# KiCad board Layer0.kicad_pcb (continued)
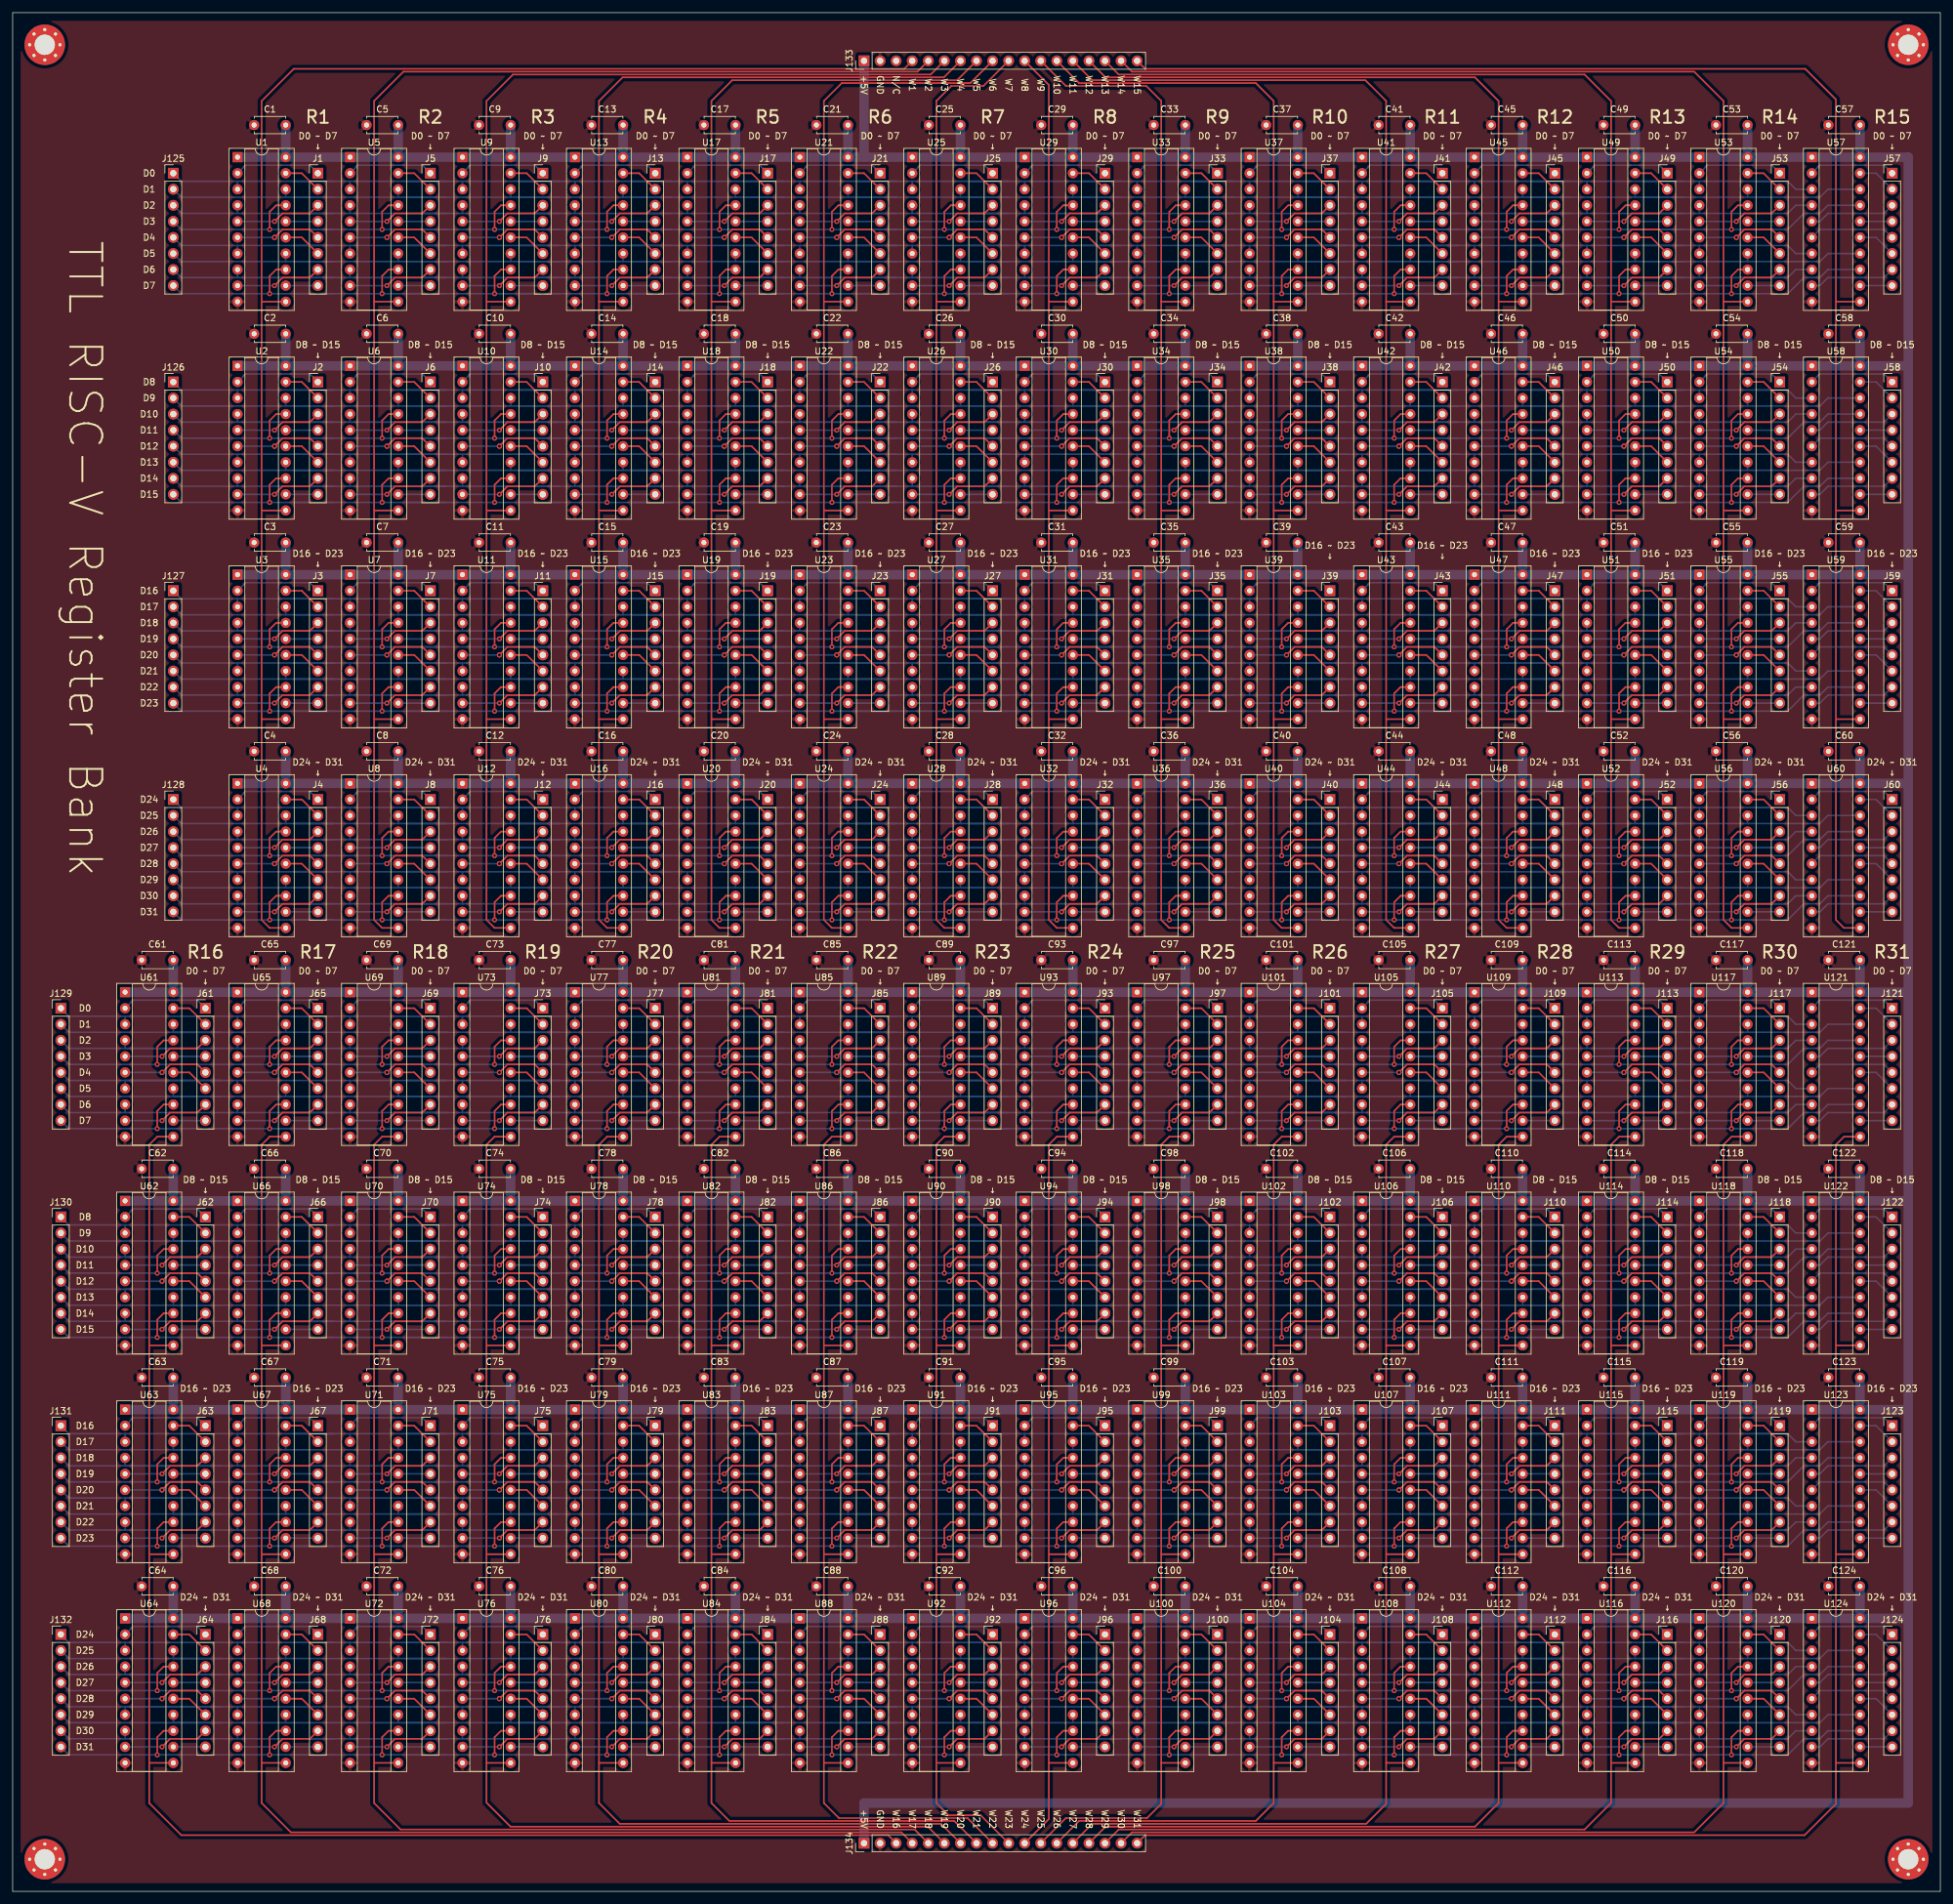
[diagram p0: board, top side]
## Routing (per net, layer and track width the routed paths; a pad name or vN(x,y) marks a point on that pad's centre or on a via; arc(x,y) is an arc through that point) (continued)
/D_W3_4: length 360.5
  Bottom w0.25: U4.7 35.56,161.29 ; 50.8,161.29 26.67,161.29 J128.5 ; 62.23,161.29 86.36,161.29 ; 186.69,161.29 210.82,161.29 ; U12.7 71.12,161.29 ; U24.7 124.46,161.29 ; 80.01,161.29 104.14,161.29 ; U16.7 88.9,161.29 ; U8.7 53.34,161.29 ; 44.45,161.29 68.58,161.29 ; 115.57,161.29 139.7,161.29 ; U48.7 231.14,161.29 ; U40.7 195.58,161.29 ; 222.25,161.29 246.38,161.29 ; U36.7 177.8,161.29 ; U44.7 213.36,161.29 ; 168.91,161.29 193.04,161.29 ; 204.47,161.29 228.6,161.29 ; U60.7 281.94,160.02 280.67,161.29 257.81,161.29 ; U28.7 142.24,161.29 ; 97.79,161.29 121.92,161.29 ; U20.7 106.68,161.29 ; 133.35,161.29 157.48,161.29 ; U52.7 248.92,161.29 ; 240.03,161.29 264.16,161.29 ; U56.7 266.7,161.29 ; U32.7 160.02,161.29 ; 151.13,161.29 175.26,161.29
/D_W3_5: length 368.1
  Bottom w0.25: 50.8,158.75 26.67,158.75 J128.6 ; 62.23,158.75 86.36,158.75 ; U28.14 149.86,158.75 ; 115.57,158.75 139.7,158.75 ; U4.14 43.18,158.75 ; U24.14 132.08,158.75 ; U16.14 96.52,158.75 ; 80.01,158.75 104.14,158.75 ; 44.45,158.75 68.58,158.75 ; 151.13,158.75 175.26,158.75 ; U56.14 274.32,158.75 ; U48.14 238.76,158.75 ; U36.14 185.42,158.75 ; 168.91,158.75 193.04,158.75 ; 204.47,158.75 228.6,158.75 ; U8.14 60.96,158.75 ; U20.14 114.3,158.75 ; U12.14 78.74,158.75 ; U60.14 287.02,160.02 285.75,158.75 257.81,158.75 ; 133.35,158.75 157.48,158.75 ; 97.79,158.75 121.92,158.75 ; 240.03,158.75 264.16,158.75 ; U52.14 256.54,158.75 ; 222.25,158.75 246.38,158.75 ; 186.69,158.75 210.82,158.75 ; U40.14 203.2,158.75 ; U44.14 220.98,158.75 ; U32.14 167.64,158.75
/D_W3_6: length 365.5
  Bottom w0.25: U4.8 35.56,156.21 ; 35.56,156.21 26.67,156.21 J128.7 ; 35.56,156.21 50.8,156.21 ; U12.8 71.12,156.21 ; 71.12,156.21 62.23,156.21 ; 71.12,156.21 86.36,156.21 ; 142.24,156.21 157.48,156.21 ; 142.24,156.21 133.35,156.21 ; 142.24,156.21 U28.8 ; 53.34,156.21 68.58,156.21 ; 53.34,156.21 U8.8 ; 53.34,156.21 44.45,156.21 ; 266.7,156.21 280.67,156.21 ; 266.7,156.21 257.81,156.21 ; 266.7,156.21 U56.8 ; 280.67,156.21 281.94,157.48 U60.8 ; 280.67,156.21 275.59,156.21 ; 80.01,156.21 88.9,156.21 ; 88.9,156.21 U16.8 ; 88.9,156.21 104.14,156.21 ; U32.8 160.02,156.21 ; 160.02,156.21 175.26,156.21 ; 160.02,156.21 151.13,156.21 ; U24.8 124.46,156.21 ; 124.46,156.21 115.57,156.21 ; 124.46,156.21 139.7,156.21 ; U44.8 213.36,156.21 ; 213.36,156.21 204.47,156.21 ; 213.36,156.21 228.6,156.21 ; 222.25,156.21 231.14,156.21 ; 231.14,156.21 U48.8 ; 231.14,156.21 246.38,156.21 ; 177.8,156.21 193.04,156.21 ; 177.8,156.21 U36.8 ; 177.8,156.21 168.91,156.21 ; 195.58,156.21 210.82,156.21 ; 195.58,156.21 U40.8 ; 195.58,156.21 186.69,156.21 ; 106.68,156.21 121.92,156.21 ; 106.68,156.21 U20.8 ; 106.68,156.21 97.79,156.21 ; U52.8 248.92,156.21 ; 248.92,156.21 240.03,156.21 ; 248.92,156.21 264.16,156.21
/D_W3_7: length 431.9
  Top w0.25: v1(40.64,153.67) 40.64,156.46 41.66,157.48 U4.13 ; U28.13 148.34,157.48 147.32,156.46 v1(147.32,153.67) ; v1(58.42,153.67) 58.42,156.46 59.44,157.48 U8.13 ; v1(165.1,153.67) 165.1,156.46 166.12,157.48 U32.13 ; v1(93.98,153.67) 93.98,156.46 95,157.48 U16.13 ; v1(76.2,153.67) 76.2,156.46 77.22,157.48 U12.13 ; v1(236.22,153.67) 236.22,156.46 237.24,157.48 U48.13 ; U36.13 183.9,157.48 182.88,156.46 v1(182.88,153.67) ; U40.13 201.68,157.48 200.66,156.46 v1(200.66,153.67) ; v1(129.54,153.67) 129.54,156.46 130.56,157.48 U24.13 ; U20.13 112.78,157.48 111.76,156.46 v1(111.76,153.67) ; v1(254,153.67) 254,156.46 255.02,157.48 U52.13 ; v1(271.78,153.67) 271.78,156.46 272.8,157.48 U56.13 ; v1(218.44,153.67) 218.44,156.46 219.46,157.48 U44.13
  Bottom w0.25: 115.57,153.67 v1(129.54,153.67) 139.7,153.67 ; U60.13 287.02,157.48 285.75,156.21 283.21,156.21 280.67,153.67 v1(271.78,153.67) 257.81,153.67 ; 151.13,153.67 v1(165.1,153.67) 175.26,153.67 ; 80.01,153.67 v1(93.98,153.67) 104.14,153.67 ; 240.03,153.67 v1(254,153.67) 264.16,153.67 ; 222.25,153.67 v1(236.22,153.67) 246.38,153.67 ; 97.79,153.67 v1(111.76,153.67) 121.92,153.67 ; 157.48,153.67 v1(147.32,153.67) 133.35,153.67 ; 44.45,153.67 v1(58.42,153.67) 68.58,153.67 ; 62.23,153.67 v1(76.2,153.67) 86.36,153.67 ; 186.69,153.67 v1(200.66,153.67) 210.82,153.67 ; 204.47,153.67 v1(218.44,153.67) 228.6,153.67 ; 168.91,153.67 v1(182.88,153.67) 193.04,153.67 ; 50.8,153.67 v1(40.64,153.67) 26.67,153.67 J128.8
/D_W4_0: length 384.6
  Bottom w0.25: 62.23,138.43 71.12,138.43 ; 71.12,138.43 86.36,138.43 ; 71.12,138.43 U73.3 ; 35.56,138.43 50.8,138.43 ; 35.56,138.43 U65.3 ; 35.56,138.43 17.78,138.43 ; 266.7,138.43 280.67,138.43 ; 266.7,138.43 U117.3 ; 266.7,138.43 257.81,138.43 ; 280.67,138.43 275.59,138.43 ; 280.67,138.43 281.94,137.16 U121.3 ; 160.02,138.43 175.26,138.43 ; 160.02,138.43 U93.3 ; 160.02,138.43 151.13,138.43 ; 115.57,138.43 124.46,138.43 ; 124.46,138.43 139.7,138.43 ; 124.46,138.43 U85.3 ; 80.01,138.43 88.9,138.43 ; 88.9,138.43 104.14,138.43 ; 88.9,138.43 U77.3 ; 44.45,138.43 53.34,138.43 ; 53.34,138.43 U69.3 ; 53.34,138.43 68.58,138.43 ; 168.91,138.43 177.8,138.43 ; 177.8,138.43 U97.3 ; 177.8,138.43 193.04,138.43 ; 222.25,138.43 231.14,138.43 ; 231.14,138.43 246.38,138.43 ; 231.14,138.43 U109.3 ; U105.3 213.36,138.43 ; 213.36,138.43 228.6,138.43 ; 213.36,138.43 204.47,138.43 ; U89.3 142.24,138.43 ; 142.24,138.43 133.35,138.43 ; 142.24,138.43 157.48,138.43 ; U81.3 106.68,138.43 ; 106.68,138.43 97.79,138.43 ; 106.68,138.43 121.92,138.43 ; 186.69,138.43 195.58,138.43 ; 195.58,138.43 U101.3 ; 195.58,138.43 210.82,138.43 ; 248.92,138.43 264.16,138.43 ; 248.92,138.43 240.03,138.43 ; 248.92,138.43 U113.3 ; U61.3 17.78,138.43 ; 17.78,138.43 8.89,138.43 J129.1
/D_W4_1: length 388.4
  Bottom w0.25: U65.18 43.18,135.89 ; U73.18 78.74,135.89 ; 97.79,135.89 121.92,135.89 ; 151.13,135.89 175.26,135.89 ; U69.18 60.96,135.89 ; U93.18 167.64,135.89 ; 80.01,135.89 104.14,135.89 ; U77.18 96.52,135.89 ; U121.18 287.02,137.16 285.75,135.89 257.81,135.89 ; 240.03,135.89 264.16,135.89 ; U101.18 203.2,135.89 ; U97.18 185.42,135.89 ; U105.18 220.98,135.89 ; 115.57,135.89 139.7,135.89 ; 133.35,135.89 157.48,135.89 ; 62.23,135.89 86.36,135.89 ; U89.18 149.86,135.89 ; U81.18 114.3,135.89 ; 222.25,135.89 246.38,135.89 ; U113.18 256.54,135.89 ; U117.18 274.32,135.89 ; U109.18 238.76,135.89 ; 168.91,135.89 193.04,135.89 ; 186.69,135.89 210.82,135.89 ; 204.47,135.89 228.6,135.89 ; U85.18 132.08,135.89 ; 33.02,135.89 8.89,135.89 J129.2 ; U61.18 25.4,135.89 68.58,135.89
/D_W4_2: length 388.4
  Bottom w0.25: U65.4 35.56,133.35 ; U73.4 71.12,133.35 ; U109.4 231.14,133.35 ; 62.23,133.35 86.36,133.35 ; 115.57,133.35 139.7,133.35 ; 257.81,133.35 280.67,133.35 281.94,134.62 U121.4 ; U93.4 160.02,133.35 ; 151.13,133.35 175.26,133.35 ; U77.4 88.9,133.35 ; U69.4 53.34,133.35 ; 80.01,133.35 104.14,133.35 ; U85.4 124.46,133.35 ; U117.4 266.7,133.35 ; 204.47,133.35 228.6,133.35 ; 168.91,133.35 193.04,133.35 ; U97.4 177.8,133.35 ; U105.4 213.36,133.35 ; 186.69,133.35 210.82,133.35 ; 133.35,133.35 157.48,133.35 ; 97.79,133.35 121.92,133.35 ; U89.4 142.24,133.35 ; U81.4 106.68,133.35 ; 240.03,133.35 264.16,133.35 ; U113.4 248.92,133.35 ; U101.4 195.58,133.35 ; 222.25,133.35 246.38,133.35 ; 33.02,133.35 8.89,133.35 J129.3 ; U61.4 17.78,133.35 68.58,133.35
/D_W4_3: length 456.1
  Top w0.25: U85.17 130.56,134.62 129.54,133.6 v1(129.54,130.81) ; U93.17 166.12,134.62 165.1,133.6 v1(165.1,130.81) ; v1(93.98,130.81) 93.98,133.6 95,134.62 U77.17 ; U117.17 272.8,134.62 271.78,133.6 v1(271.78,130.81) ; v1(254,130.81) 254,133.6 255.02,134.62 U113.17 ; U109.17 237.24,134.62 236.22,133.6 v1(236.22,130.81) ; v1(111.76,130.81) 111.76,133.6 112.78,134.62 U81.17 ; v1(147.32,130.81) 147.32,133.6 148.34,134.62 U89.17 ; U69.17 59.44,134.62 58.42,133.6 v1(58.42,130.81) ; v1(76.2,130.81) 76.2,133.6 77.22,134.62 U73.17 ; U101.17 201.68,134.62 200.66,133.6 v1(200.66,130.81) ; v1(218.44,130.81) 218.44,133.6 219.46,134.62 U105.17 ; v1(182.88,130.81) 182.88,133.6 183.9,134.62 U97.17 ; v1(40.64,130.81) 40.64,133.6 41.66,134.62 U65.17 ; v1(22.86,130.81) 22.86,133.6 23.88,134.62 U61.17
  Bottom w0.25: 222.25,130.81 v1(236.22,130.81) 246.38,130.81 ; 115.57,130.81 v1(129.54,130.81) 139.7,130.81 ; 97.79,130.81 v1(111.76,130.81) 121.92,130.81 ; 50.8,130.81 v1(40.64,130.81) v1(22.86,130.81) 8.89,130.81 J129.4 ; 157.48,130.81 v1(147.32,130.81) 133.35,130.81 ; 68.58,130.81 v1(58.42,130.81) 44.45,130.81 ; 151.13,130.81 v1(165.1,130.81) 175.26,130.81 ; 80.01,130.81 v1(93.98,130.81) 104.14,130.81 ; 86.36,130.81 v1(76.2,130.81) 62.23,130.81 ; U121.17 287.02,134.62 285.75,133.35 283.21,133.35 280.67,130.81 275.59,130.81 ; 240.03,130.81 v1(254,130.81) 264.16,130.81 ; 257.81,130.81 v1(271.78,130.81) 276.22,130.81 ; 193.04,130.81 v1(182.88,130.81) 168.91,130.81 ; 210.82,130.81 v1(200.66,130.81) 186.69,130.81 ; 228.6,130.81 v1(218.44,130.81) 204.47,130.81
/D_W4_4: length 388.4
  Bottom w0.25: U65.7 35.56,128.27 ; 62.23,128.27 86.36,128.27 ; 186.69,128.27 210.82,128.27 ; U73.7 71.12,128.27 ; U85.7 124.46,128.27 ; 80.01,128.27 104.14,128.27 ; U77.7 88.9,128.27 ; U69.7 53.34,128.27 ; 68.58,128.27 17.78,128.27 U61.7 ; 115.57,128.27 139.7,128.27 ; U109.7 231.14,128.27 ; U101.7 195.58,128.27 ; 222.25,128.27 246.38,128.27 ; U97.7 177.8,128.27 ; U105.7 213.36,128.27 ; 168.91,128.27 193.04,128.27 ; 204.47,128.27 228.6,128.27 ; U121.7 281.94,127 280.67,128.27 257.81,128.27 ; U89.7 142.24,128.27 ; 97.79,128.27 121.92,128.27 ; U81.7 106.68,128.27 ; 133.35,128.27 157.48,128.27 ; U113.7 248.92,128.27 ; 240.03,128.27 264.16,128.27 ; U117.7 266.7,128.27 ; U93.7 160.02,128.27 ; 151.13,128.27 175.26,128.27 ; J129.5 8.89,128.27 33.02,128.27
/D_W4_5: length 388.4
  Bottom w0.25: 62.23,125.73 86.36,125.73 ; U89.14 149.86,125.73 ; 115.57,125.73 139.7,125.73 ; U65.14 43.18,125.73 ; U85.14 132.08,125.73 ; U77.14 96.52,125.73 ; 80.01,125.73 104.14,125.73 ; 151.13,125.73 175.26,125.73 ; U117.14 274.32,125.73 ; U109.14 238.76,125.73 ; U97.14 185.42,125.73 ; 168.91,125.73 193.04,125.73 ; 204.47,125.73 228.6,125.73 ; U69.14 60.96,125.73 ; U81.14 114.3,125.73 ; U73.14 78.74,125.73 ; U121.14 287.02,127 285.75,125.73 257.81,125.73 ; 133.35,125.73 157.48,125.73 ; 97.79,125.73 121.92,125.73 ; 240.03,125.73 264.16,125.73 ; U113.14 256.54,125.73 ; 222.25,125.73 246.38,125.73 ; 186.69,125.73 210.82,125.73 ; U101.14 203.2,125.73 ; U105.14 220.98,125.73 ; U93.14 167.64,125.73 ; 33.02,125.73 8.89,125.73 J129.6 ; U61.14 25.4,125.73 68.58,125.73
/D_W4_6: length 384.6
  Bottom w0.25: U65.8 35.56,123.19 ; 35.56,123.19 50.8,123.19 ; 35.56,123.19 17.78,123.19 ; U73.8 71.12,123.19 ; 71.12,123.19 62.23,123.19 ; 71.12,123.19 86.36,123.19 ; 142.24,123.19 157.48,123.19 ; 142.24,123.19 133.35,123.19 ; 142.24,123.19 U89.8 ; 53.34,123.19 68.58,123.19 ; 53.34,123.19 U69.8 ; 53.34,123.19 44.45,123.19 ; 266.7,123.19 280.67,123.19 ; 266.7,123.19 257.81,123.19 ; 266.7,123.19 U117.8 ; 280.67,123.19 281.94,124.46 U121.8 ; 280.67,123.19 275.59,123.19 ; 80.01,123.19 88.9,123.19 ; 88.9,123.19 U77.8 ; 88.9,123.19 104.14,123.19 ; U93.8 160.02,123.19 ; 160.02,123.19 175.26,123.19 ; 160.02,123.19 151.13,123.19 ; U85.8 124.46,123.19 ; 124.46,123.19 115.57,123.19 ; 124.46,123.19 139.7,123.19 ; U105.8 213.36,123.19 ; 213.36,123.19 204.47,123.19 ; 213.36,123.19 228.6,123.19 ; 222.25,123.19 231.14,123.19 ; 231.14,123.19 U109.8 ; 231.14,123.19 246.38,123.19 ; 177.8,123.19 193.04,123.19 ; 177.8,123.19 U97.8 ; 177.8,123.19 168.91,123.19 ; 195.58,123.19 210.82,123.19 ; 195.58,123.19 U101.8 ; 195.58,123.19 186.69,123.19 ; 106.68,123.19 121.92,123.19 ; 106.68,123.19 U81.8 ; 106.68,123.19 97.79,123.19 ; U113.8 248.92,123.19 ; 248.92,123.19 240.03,123.19 ; 248.92,123.19 264.16,123.19 ; U61.8 17.78,123.19 ; 17.78,123.19 8.89,123.19 J129.7
/D_W4_7: length 455.5
  Top w0.25: v1(40.64,120.65) 40.64,123.44 41.66,124.46 U65.13 ; U89.13 148.34,124.46 147.32,123.44 v1(147.32,120.65) ; v1(58.42,120.65) 58.42,123.44 59.44,124.46 U69.13 ; v1(165.1,120.65) 165.1,123.44 166.12,124.46 U93.13 ; v1(93.98,120.65) 93.98,123.44 95,124.46 U77.13 ; v1(76.2,120.65) 76.2,123.44 77.22,124.46 U73.13 ; v1(236.22,120.65) 236.22,123.44 237.24,124.46 U109.13 ; U97.13 183.9,124.46 182.88,123.44 v1(182.88,120.65) ; U101.13 201.68,124.46 200.66,123.44 v1(200.66,120.65) ; v1(129.54,120.65) 129.54,123.44 130.56,124.46 U85.13 ; U81.13 112.78,124.46 111.76,123.44 v1(111.76,120.65) ; v1(254,120.65) 254,123.44 255.02,124.46 U113.13 ; v1(271.78,120.65) 271.78,123.44 272.8,124.46 U117.13 ; v1(218.44,120.65) 218.44,123.44 219.46,124.46 U105.13 ; v1(22.86,120.65) 22.86,123.44 23.88,124.46 U61.13
  Bottom w0.25: 115.57,120.65 v1(129.54,120.65) 139.7,120.65 ; U121.13 287.02,124.46 285.75,123.19 283.21,123.19 280.67,120.65 v1(271.78,120.65) 257.81,120.65 ; 151.13,120.65 v1(165.1,120.65) 175.26,120.65 ; 80.01,120.65 v1(93.98,120.65) 104.14,120.65 ; 240.03,120.65 v1(254,120.65) 264.16,120.65 ; 222.25,120.65 v1(236.22,120.65) 246.38,120.65 ; 97.79,120.65 v1(111.76,120.65) 121.92,120.65 ; 157.48,120.65 v1(147.32,120.65) 133.35,120.65 ; 44.45,120.65 v1(58.42,120.65) 68.58,120.65 ; 62.23,120.65 v1(76.2,120.65) 86.36,120.65 ; 186.69,120.65 v1(200.66,120.65) 210.82,120.65 ; 204.47,120.65 v1(218.44,120.65) 228.6,120.65 ; 168.91,120.65 v1(182.88,120.65) 193.04,120.65 ; 50.8,120.65 v1(40.64,120.65) v1(22.86,120.65) 8.89,120.65 J129.8
/D_W5_0: length 384.6
  Bottom w0.25: 17.78,105.41 35.56,105.41 ; 17.78,105.41 U62.3 ; 17.78,105.41 8.89,105.41 J130.1 ; 35.56,105.41 50.8,105.41 ; 35.56,105.41 U66.3 ; 62.23,105.41 71.12,105.41 ; 71.12,105.41 86.36,105.41 ; 71.12,105.41 U74.3 ; 266.7,105.41 280.67,105.41 ; 266.7,105.41 U118.3 ; 266.7,105.41 257.81,105.41 ; 280.67,105.41 275.59,105.41 ; 280.67,105.41 281.94,104.14 U122.3 ; 160.02,105.41 175.26,105.41 ; 160.02,105.41 U94.3 ; 160.02,105.41 151.13,105.41 ; 115.57,105.41 124.46,105.41 ; 124.46,105.41 139.7,105.41 ; 124.46,105.41 U86.3 ; 80.01,105.41 88.9,105.41 ; 88.9,105.41 104.14,105.41 ; 88.9,105.41 U78.3 ; 44.45,105.41 53.34,105.41 ; 53.34,105.41 U70.3 ; 53.34,105.41 68.58,105.41 ; 168.91,105.41 177.8,105.41 ; 177.8,105.41 U98.3 ; 177.8,105.41 193.04,105.41 ; 222.25,105.41 231.14,105.41 ; 231.14,105.41 246.38,105.41 ; 231.14,105.41 U110.3 ; U106.3 213.36,105.41 ; 213.36,105.41 228.6,105.41 ; 213.36,105.41 204.47,105.41 ; U102.3 195.58,105.41 ; 195.58,105.41 210.82,105.41 ; 195.58,105.41 186.69,105.41 ; U90.3 142.24,105.41 ; 142.24,105.41 133.35,105.41 ; 142.24,105.41 157.48,105.41 ; U82.3 106.68,105.41 ; 106.68,105.41 97.79,105.41 ; 106.68,105.41 121.92,105.41 ; 248.92,105.41 264.16,105.41 ; 248.92,105.41 240.03,105.41 ; 248.92,105.41 U114.3
/D_W5_1: length 388.4
  Bottom w0.25: 97.79,102.87 121.92,102.87 ; U62.18 25.4,102.87 68.58,102.87 ; U66.18 43.18,102.87 ; U74.18 78.74,102.87 ; 62.23,102.87 86.36,102.87 ; 133.35,102.87 157.48,102.87 ; 151.13,102.87 175.26,102.87 ; U70.18 60.96,102.87 ; U94.18 167.64,102.87 ; 80.01,102.87 104.14,102.87 ; U78.18 96.52,102.87 ; U122.18 287.02,104.14 285.75,102.87 257.81,102.87 ; 240.03,102.87 264.16,102.87 ; U102.18 203.2,102.87 ; U98.18 185.42,102.87 ; U106.18 220.98,102.87 ; 115.57,102.87 139.7,102.87 ; U110.18 238.76,102.87 ; 168.91,102.87 193.04,102.87 ; 186.69,102.87 210.82,102.87 ; 204.47,102.87 228.6,102.87 ; U86.18 132.08,102.87 ; U90.18 149.86,102.87 ; U82.18 114.3,102.87 ; 222.25,102.87 246.38,102.87 ; U114.18 256.54,102.87 ; U118.18 274.32,102.87 ; 33.02,102.87 8.89,102.87 J130.2
/D_W5_2: length 388.4
  Bottom w0.25: U66.4 35.56,100.33 ; U74.4 71.12,100.33 ; U110.4 231.14,100.33 ; 62.23,100.33 86.36,100.33 ; 68.58,100.33 17.78,100.33 U62.4 ; 115.57,100.33 139.7,100.33 ; 257.81,100.33 280.67,100.33 281.94,101.6 U122.4 ; U94.4 160.02,100.33 ; 151.13,100.33 175.26,100.33 ; U78.4 88.9,100.33 ; U70.4 53.34,100.33 ; 80.01,100.33 104.14,100.33 ; U86.4 124.46,100.33 ; U118.4 266.7,100.33 ; 204.47,100.33 228.6,100.33 ; 168.91,100.33 193.04,100.33 ; U98.4 177.8,100.33 ; U106.4 213.36,100.33 ; 186.69,100.33 210.82,100.33 ; U102.4 195.58,100.33 ; 222.25,100.33 246.38,100.33 ; 133.35,100.33 157.48,100.33 ; 97.79,100.33 121.92,100.33 ; U90.4 142.24,100.33 ; U82.4 106.68,100.33 ; 240.03,100.33 264.16,100.33 ; U114.4 248.92,100.33 ; 33.02,100.33 8.89,100.33 J130.3
/D_W5_3: length 456.1
  Top w0.25: v1(22.86,97.79) 22.86,100.58 23.88,101.6 U62.17 ; U86.17 130.56,101.6 129.54,100.58 v1(129.54,97.79) ; v1(147.32,97.79) 147.32,100.58 148.34,101.6 U90.17 ; U82.17 112.78,101.6 111.76,100.58 v1(111.76,97.79) ; v1(76.2,97.79) 76.2,100.58 77.22,101.6 U74.17 ; v1(58.42,97.79) 58.42,100.58 59.44,101.6 U70.17 ; U94.17 166.12,101.6 165.1,100.58 v1(165.1,97.79) ; v1(93.98,97.79) 93.98,100.58 95,101.6 U78.17 ; U118.17 272.8,101.6 271.78,100.58 v1(271.78,97.79) ; v1(254,97.79) 254,100.58 255.02,101.6 U114.17 ; U110.17 237.24,101.6 236.22,100.58 v1(236.22,97.79) ; U102.17 201.68,101.6 200.66,100.58 v1(200.66,97.79) ; v1(218.44,97.79) 218.44,100.58 219.46,101.6 U106.17 ; v1(182.88,97.79) 182.88,100.58 183.9,101.6 U98.17 ; v1(40.64,97.79) 40.64,100.58 41.66,101.6 U66.17
  Bottom w0.25: 157.48,97.79 v1(147.32,97.79) 133.35,97.79 ; 50.8,97.79 v1(40.64,97.79) v1(22.86,97.79) 8.89,97.79 J130.4 ; 222.25,97.79 v1(236.22,97.79) 246.38,97.79 ; 115.57,97.79 v1(129.54,97.79) 139.7,97.79 ; 97.79,97.79 v1(111.76,97.79) 121.92,97.79 ; 68.58,97.79 v1(58.42,97.79) 44.45,97.79 ; 62.23,97.79 v1(76.2,97.79) 86.36,97.79 ; 151.13,97.79 v1(165.1,97.79) 175.26,97.79 ; 80.01,97.79 v1(93.98,97.79) 104.14,97.79 ; U122.17 287.02,101.6 285.75,100.33 283.21,100.33 280.67,97.79 275.59,97.79 ; 240.03,97.79 v1(254,97.79) 264.16,97.79 ; 257.81,97.79 v1(271.78,97.79) 276.22,97.79 ; 193.04,97.79 v1(182.88,97.79) 168.91,97.79 ; 210.82,97.79 v1(200.66,97.79) 186.69,97.79 ; 228.6,97.79 v1(218.44,97.79) 204.47,97.79
/D_W5_4: length 388.4
  Bottom w0.25: U62.7 17.78,95.25 68.58,95.25 ; U66.7 35.56,95.25 ; 62.23,95.25 86.36,95.25 ; 186.69,95.25 210.82,95.25 ; U74.7 71.12,95.25 ; U122.7 281.94,93.98 280.67,95.25 257.81,95.25 ; U86.7 124.46,95.25 ; 80.01,95.25 104.14,95.25 ; U78.7 88.9,95.25 ; U70.7 53.34,95.25 ; 115.57,95.25 139.7,95.25 ; U110.7 231.14,95.25 ; U102.7 195.58,95.25 ; 222.25,95.25 246.38,95.25 ; U98.7 177.8,95.25 ; U106.7 213.36,95.25 ; 168.91,95.25 193.04,95.25 ; 204.47,95.25 228.6,95.25 ; U94.7 160.02,95.25 ; 151.13,95.25 175.26,95.25 ; U90.7 142.24,95.25 ; 97.79,95.25 121.92,95.25 ; U82.7 106.68,95.25 ; 133.35,95.25 157.48,95.25 ; U114.7 248.92,95.25 ; 240.03,95.25 264.16,95.25 ; U118.7 266.7,95.25 ; J130.5 8.89,95.25 33.02,95.25
/D_W5_5: length 388.4
  Bottom w0.25: 62.23,92.71 86.36,92.71 ; U90.14 149.86,92.71 ; 115.57,92.71 139.7,92.71 ; U66.14 43.18,92.71 ; U82.14 114.3,92.71 ; U74.14 78.74,92.71 ; U70.14 60.96,92.71 ; U86.14 132.08,92.71 ; U78.14 96.52,92.71 ; 80.01,92.71 104.14,92.71 ; 151.13,92.71 175.26,92.71 ; U118.14 274.32,92.71 ; U110.14 238.76,92.71 ; U98.14 185.42,92.71 ; 168.91,92.71 193.04,92.71 ; 204.47,92.71 228.6,92.71 ; 222.25,92.71 246.38,92.71 ; 186.69,92.71 210.82,92.71 ; U102.14 203.2,92.71 ; U106.14 220.98,92.71 ; U94.14 167.64,92.71 ; U122.14 287.02,93.98 285.75,92.71 257.81,92.71 ; 133.35,92.71 157.48,92.71 ; 97.79,92.71 121.92,92.71 ; 240.03,92.71 264.16,92.71 ; U114.14 256.54,92.71 ; U62.14 25.4,92.71 68.58,92.71 ; 33.02,92.71 8.89,92.71 J130.6
/D_W5_6: length 384.6
  Bottom w0.25: U62.8 17.78,90.17 ; 17.78,90.17 35.56,90.17 ; 17.78,90.17 8.89,90.17 J130.7 ; 35.56,90.17 U66.8 ; 35.56,90.17 50.8,90.17 ; U74.8 71.12,90.17 ; 71.12,90.17 62.23,90.17 ; 71.12,90.17 86.36,90.17 ; 142.24,90.17 157.48,90.17 ; 142.24,90.17 133.35,90.17 ; 142.24,90.17 U90.8 ; 53.34,90.17 68.58,90.17 ; 53.34,90.17 U70.8 ; 53.34,90.17 44.45,90.17 ; 266.7,90.17 280.67,90.17 ; 266.7,90.17 257.81,90.17 ; 266.7,90.17 U118.8 ; 280.67,90.17 281.94,91.44 U122.8 ; 280.67,90.17 275.59,90.17 ; 80.01,90.17 88.9,90.17 ; 88.9,90.17 U78.8 ; 88.9,90.17 104.14,90.17 ; U94.8 160.02,90.17 ; 160.02,90.17 175.26,90.17 ; 160.02,90.17 151.13,90.17 ; U86.8 124.46,90.17 ; 124.46,90.17 115.57,90.17 ; 124.46,90.17 139.7,90.17 ; U106.8 213.36,90.17 ; 213.36,90.17 204.47,90.17 ; 213.36,90.17 228.6,90.17 ; 222.25,90.17 231.14,90.17 ; 231.14,90.17 U110.8 ; 231.14,90.17 246.38,90.17 ; 177.8,90.17 193.04,90.17 ; 177.8,90.17 U98.8 ; 177.8,90.17 168.91,90.17 ; 195.58,90.17 210.82,90.17 ; 195.58,90.17 U102.8 ; 195.58,90.17 186.69,90.17 ; 106.68,90.17 121.92,90.17 ; 106.68,90.17 U82.8 ; 106.68,90.17 97.79,90.17 ; U114.8 248.92,90.17 ; 248.92,90.17 240.03,90.17 ; 248.92,90.17 264.16,90.17
/D_W5_7: length 455.5
  Top w0.25: U90.13 148.34,91.44 147.32,90.42 v1(147.32,87.63) ; v1(22.86,87.63) 22.86,90.42 23.88,91.44 U62.13 ; v1(40.64,87.63) 40.64,90.42 41.66,91.44 U66.13 ; v1(58.42,87.63) 58.42,90.42 59.44,91.44 U70.13 ; v1(129.54,87.63) 129.54,90.42 130.56,91.44 U86.13 ; v1(165.1,87.63) 165.1,90.42 166.12,91.44 U94.13 ; v1(93.98,87.63) 93.98,90.42 95,91.44 U78.13 ; v1(76.2,87.63) 76.2,90.42 77.22,91.44 U74.13 ; v1(236.22,87.63) 236.22,90.42 237.24,91.44 U110.13 ; U98.13 183.9,91.44 182.88,90.42 v1(182.88,87.63) ; U102.13 201.68,91.44 200.66,90.42 v1(200.66,87.63) ; v1(218.44,87.63) 218.44,90.42 219.46,91.44 U106.13 ; U82.13 112.78,91.44 111.76,90.42 v1(111.76,87.63) ; v1(254,87.63) 254,90.42 255.02,91.44 U114.13 ; v1(271.78,87.63) 271.78,90.42 272.8,91.44 U118.13
  Bottom w0.25: 115.57,87.63 v1(129.54,87.63) 139.7,87.63 ; U122.13 287.02,91.44 285.75,90.17 283.21,90.17 280.67,87.63 v1(271.78,87.63) 257.81,87.63 ; 133.35,87.63 v1(147.32,87.63) 157.48,87.63 ; 68.58,87.63 v1(58.42,87.63) 44.45,87.63 ; 62.23,87.63 v1(76.2,87.63) 86.36,87.63 ; 151.13,87.63 v1(165.1,87.63) 175.26,87.63 ; 80.01,87.63 v1(93.98,87.63) 104.14,87.63 ; 240.03,87.63 v1(254,87.63) 264.16,87.63 ; 222.25,87.63 v1(236.22,87.63) 246.38,87.63 ; 97.79,87.63 v1(111.76,87.63) 121.92,87.63 ; 186.69,87.63 v1(200.66,87.63) 210.82,87.63 ; 204.47,87.63 v1(218.44,87.63) 228.6,87.63 ; 168.91,87.63 v1(182.88,87.63) 193.04,87.63 ; 50.8,87.63 v1(40.64,87.63) v1(22.86,87.63) 8.89,87.63 J130.8
/D_W6_0: length 384.6
  Bottom w0.25: 17.78,72.39 35.56,72.39 ; 17.78,72.39 U63.3 ; 17.78,72.39 8.89,72.39 J131.1 ; 35.56,72.39 50.8,72.39 ; 35.56,72.39 U67.3 ; 62.23,72.39 71.12,72.39 ; 71.12,72.39 86.36,72.39 ; 71.12,72.39 U75.3 ; 266.7,72.39 280.67,72.39 ; 266.7,72.39 U119.3 ; 266.7,72.39 257.81,72.39 ; 280.67,72.39 275.59,72.39 ; 280.67,72.39 281.94,71.12 U123.3 ; 160.02,72.39 175.26,72.39 ; 160.02,72.39 U95.3 ; 160.02,72.39 151.13,72.39 ; 115.57,72.39 124.46,72.39 ; 124.46,72.39 139.7,72.39 ; 124.46,72.39 U87.3 ; 80.01,72.39 88.9,72.39 ; 88.9,72.39 104.14,72.39 ; 88.9,72.39 U79.3 ; 44.45,72.39 53.34,72.39 ; 53.34,72.39 U71.3 ; 53.34,72.39 68.58,72.39 ; 168.91,72.39 177.8,72.39 ; 177.8,72.39 U99.3 ; 177.8,72.39 193.04,72.39 ; 222.25,72.39 231.14,72.39 ; 231.14,72.39 246.38,72.39 ; 231.14,72.39 U111.3 ; U107.3 213.36,72.39 ; 213.36,72.39 228.6,72.39 ; 213.36,72.39 204.47,72.39 ; U103.3 195.58,72.39 ; 195.58,72.39 210.82,72.39 ; 195.58,72.39 186.69,72.39 ; U91.3 142.24,72.39 ; 142.24,72.39 133.35,72.39 ; 142.24,72.39 157.48,72.39 ; U83.3 106.68,72.39 ; 106.68,72.39 97.79,72.39 ; 106.68,72.39 121.92,72.39 ; 248.92,72.39 264.16,72.39 ; 248.92,72.39 240.03,72.39 ; 248.92,72.39 U115.3
/D_W6_1: length 388.4
  Bottom w0.25: 97.79,69.85 121.92,69.85 ; U63.18 25.4,69.85 68.58,69.85 ; U67.18 43.18,69.85 ; U75.18 78.74,69.85 ; 62.23,69.85 86.36,69.85 ; 133.35,69.85 157.48,69.85 ; 151.13,69.85 175.26,69.85 ; U71.18 60.96,69.85 ; U95.18 167.64,69.85 ; 80.01,69.85 104.14,69.85 ; U79.18 96.52,69.85 ; U123.18 287.02,71.12 285.75,69.85 257.81,69.85 ; 240.03,69.85 264.16,69.85 ; U103.18 203.2,69.85 ; U99.18 185.42,69.85 ; U107.18 220.98,69.85 ; 115.57,69.85 139.7,69.85 ; U111.18 238.76,69.85 ; 168.91,69.85 193.04,69.85 ; 186.69,69.85 210.82,69.85 ; 204.47,69.85 228.6,69.85 ; U87.18 132.08,69.85 ; U91.18 149.86,69.85 ; U83.18 114.3,69.85 ; 222.25,69.85 246.38,69.85 ; U115.18 256.54,69.85 ; U119.18 274.32,69.85 ; 33.02,69.85 8.89,69.85 J131.2
/D_W6_2: length 388.4
  Bottom w0.25: U67.4 35.56,67.31 ; U75.4 71.12,67.31 ; U111.4 231.14,67.31 ; 62.23,67.31 86.36,67.31 ; 68.58,67.31 17.78,67.31 U63.4 ; 115.57,67.31 139.7,67.31 ; 257.81,67.31 280.67,67.31 281.94,68.58 U123.4 ; U95.4 160.02,67.31 ; 151.13,67.31 175.26,67.31 ; U79.4 88.9,67.31 ; U71.4 53.34,67.31 ; 80.01,67.31 104.14,67.31 ; U87.4 124.46,67.31 ; U119.4 266.7,67.31 ; 204.47,67.31 228.6,67.31 ; 168.91,67.31 193.04,67.31 ; U99.4 177.8,67.31 ; U107.4 213.36,67.31 ; 186.69,67.31 210.82,67.31 ; U103.4 195.58,67.31 ; 222.25,67.31 246.38,67.31 ; 133.35,67.31 157.48,67.31 ; 97.79,67.31 121.92,67.31 ; U91.4 142.24,67.31 ; U83.4 106.68,67.31 ; 240.03,67.31 264.16,67.31 ; U115.4 248.92,67.31 ; 33.02,67.31 8.89,67.31 J131.3
/D_W6_3: length 456.1
  Top w0.25: v1(22.86,64.77) 22.86,67.56 23.88,68.58 U63.17 ; U87.17 130.56,68.58 129.54,67.56 v1(129.54,64.77) ; v1(147.32,64.77) 147.32,67.56 148.34,68.58 U91.17 ; U83.17 112.78,68.58 111.76,67.56 v1(111.76,64.77) ; v1(76.2,64.77) 76.2,67.56 77.22,68.58 U75.17 ; v1(58.42,64.77) 58.42,67.56 59.44,68.58 U71.17 ; U95.17 166.12,68.58 165.1,67.56 v1(165.1,64.77) ; v1(93.98,64.77) 93.98,67.56 95,68.58 U79.17 ; U119.17 272.8,68.58 271.78,67.56 v1(271.78,64.77) ; v1(254,64.77) 254,67.56 255.02,68.58 U115.17 ; U111.17 237.24,68.58 236.22,67.56 v1(236.22,64.77) ; U103.17 201.68,68.58 200.66,67.56 v1(200.66,64.77) ; v1(218.44,64.77) 218.44,67.56 219.46,68.58 U107.17 ; v1(182.88,64.77) 182.88,67.56 183.9,68.58 U99.17 ; v1(40.64,64.77) 40.64,67.56 41.66,68.58 U67.17